# KiCad board !HDMI2USB.kicad_pcb (continued)
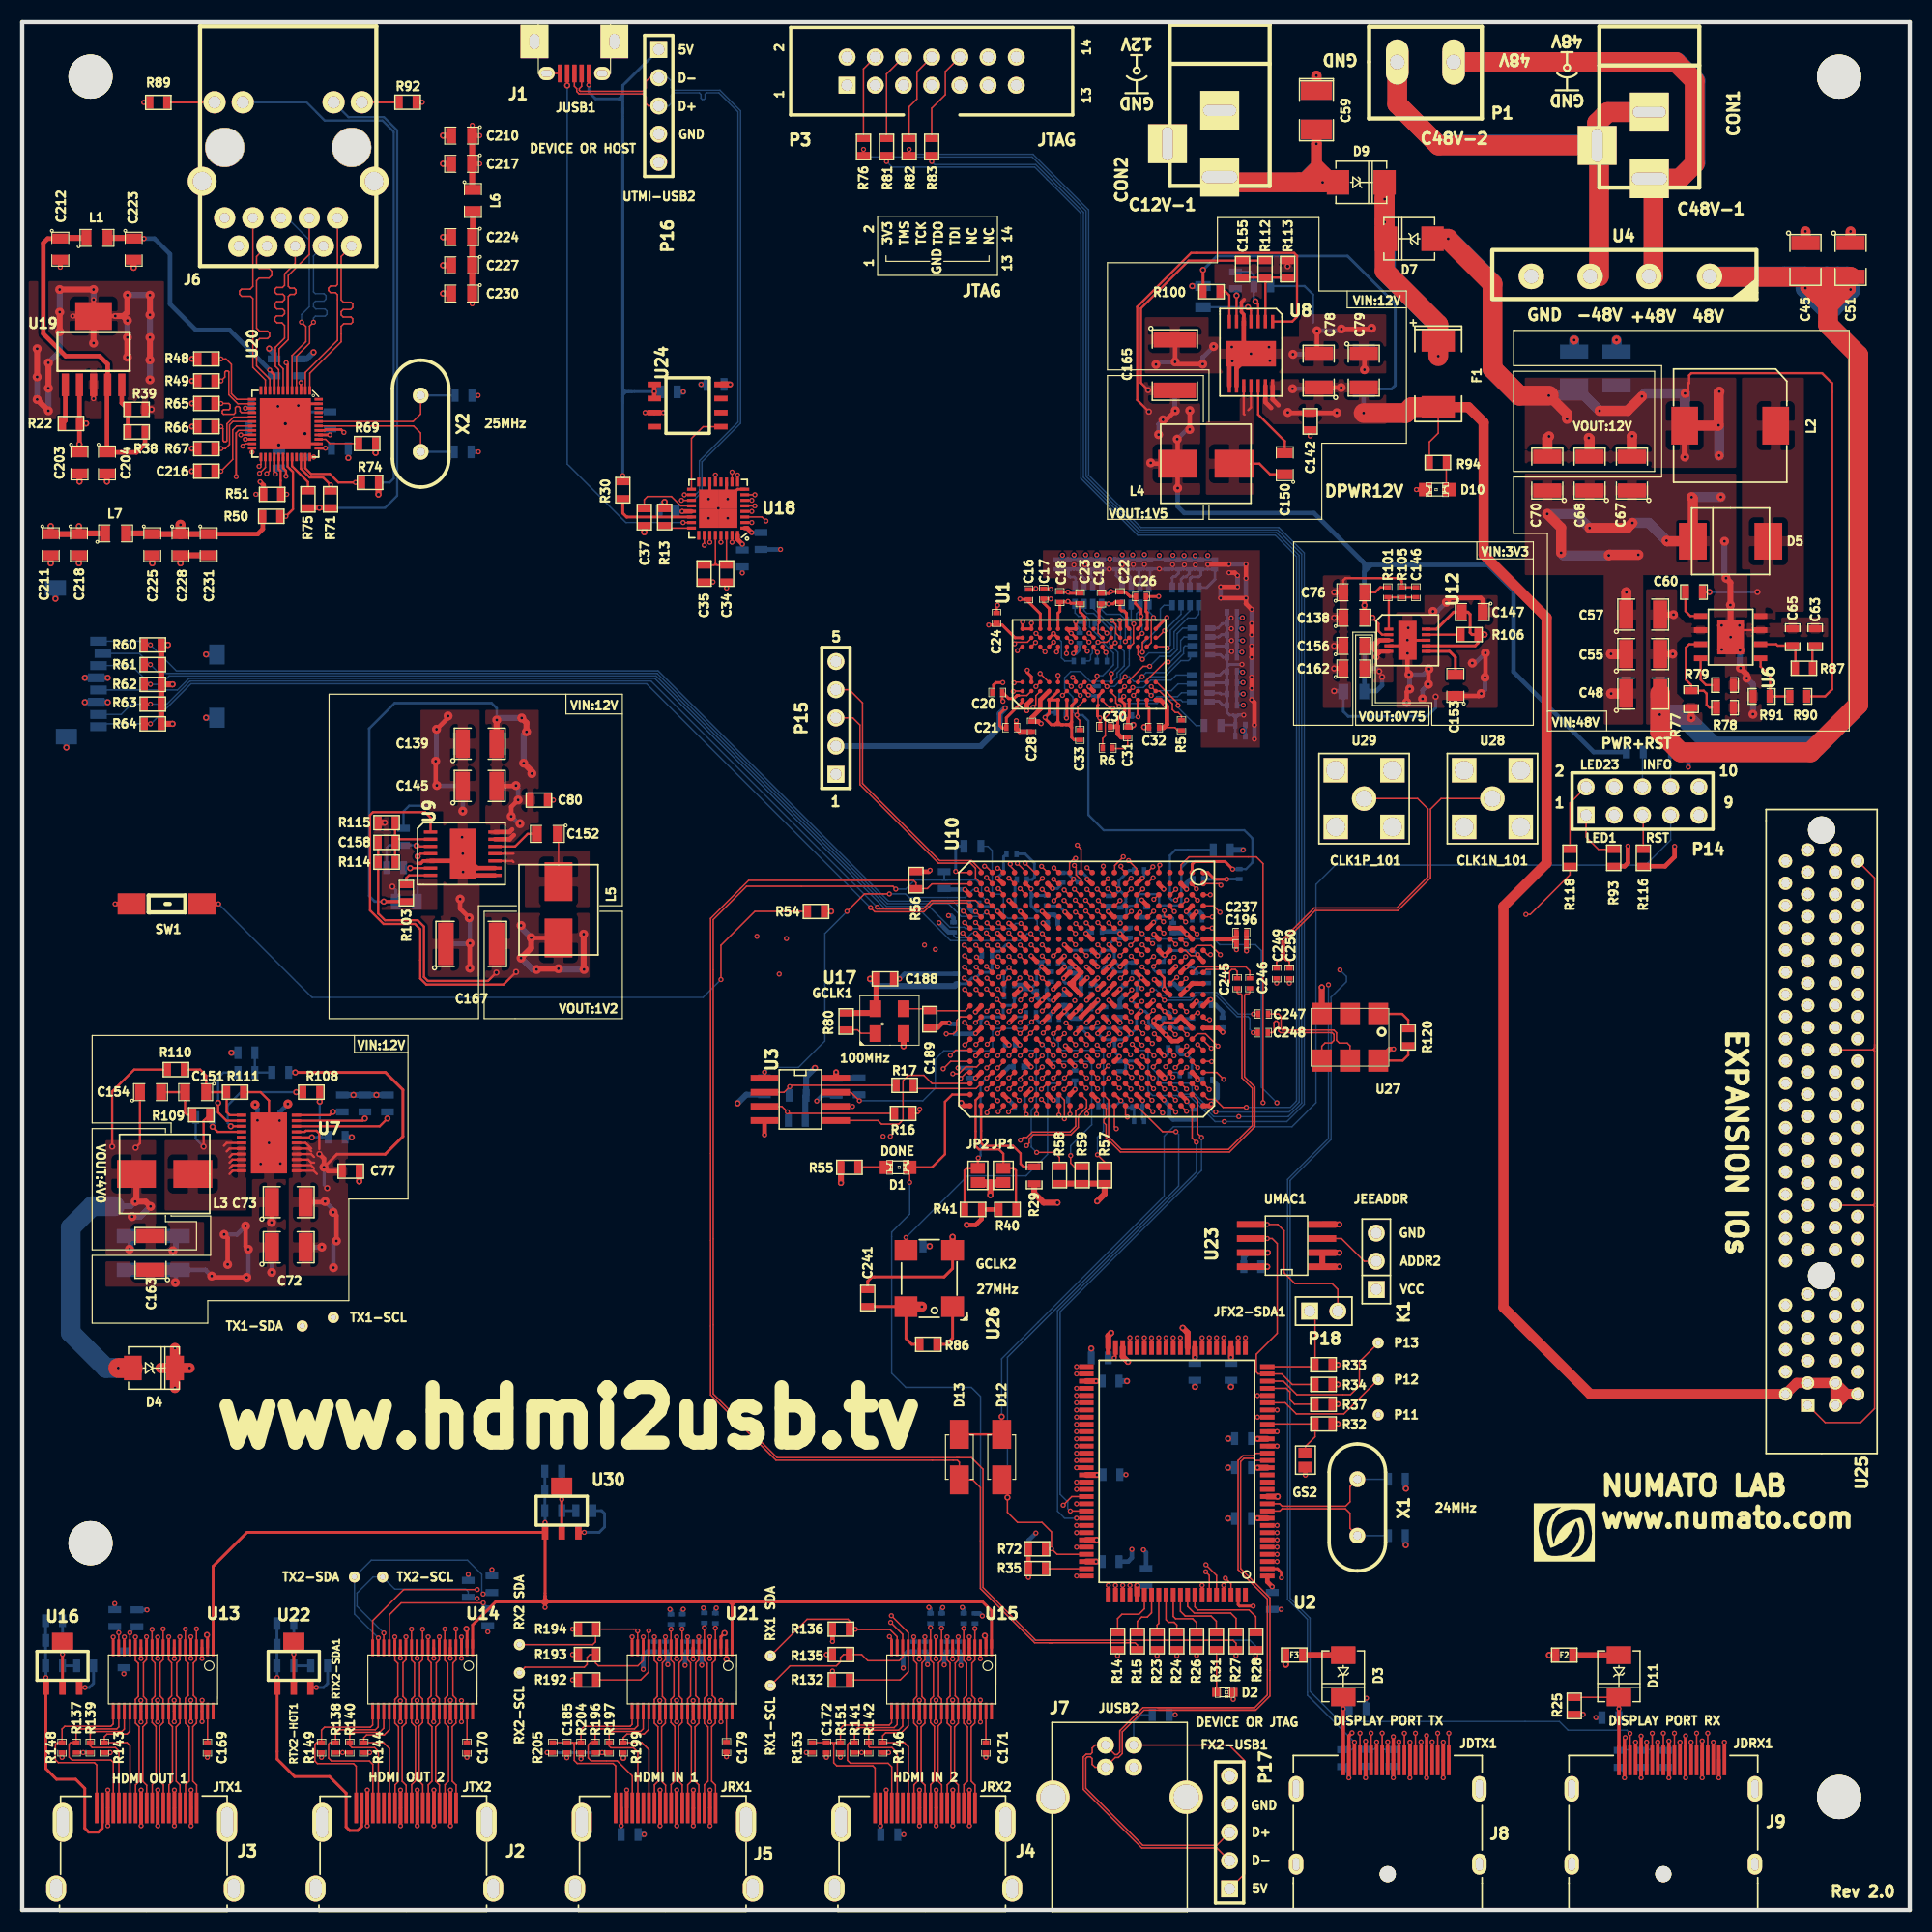
[diagram p0: board, top side]
## Routing (per net, layer and track width the routed paths; a pad name or vN(x,y) marks a point on that pad's centre or on a via; arc(x,y) is an arc through that point) (continued)
  BOTTOM w0.127: 103.35,112.45 103.25,112.45 103.19,112.36 v1(103.2,112.38) 103.38,112.38 104.34,113.33 104.34,114.32 104.65,114.63 R8.6
/DDR3/DDR0_A10: length 50.2
  TOP w0.127: v1(98.87,90.89) 98.39,90.42 U10.J4 ; v1(98.44,114.11) 98.44,114.11 U1.L7
  SIGNAL1-X w0.127: 100.28,114.51 101.57,114.51 103.24,112.83 103.44,112.83 105.41,110.86 105.41,109.73 105.74,109.4 105.74,107.48 105.24,106.98 105.24,104.6 102.87,102.23 101.87,102.23 101.35,101.71 101.35,101.53 101.5,101.37 101.68,101.37 102.15,101.85 102.36,101.85 102.57,101.63 102.57,101.44 101.35,100.22 101.35,96.17 101.25,96.07 101.09,96.07 101,96.16 101,98.03 100.89,98.14 100.76,98.14 100.68,98.06 100.68,95.77 100.59,95.68 100.48,95.68 100.41,95.76 100.41,97.99 ; 100.41,97.99 100.3,98.09 100.17,98.09 100.06,97.99 100.06,95.69 ; 100.27,114.51 99.88,114.9 99.23,114.9 v1(98.44,114.11) ; 98.88,90.82 99.03,90.97 99.03,91.42 99.18,91.57 99.18,92.18 98.84,92.52 98.84,93.26 99.61,94.03 99.8,94.03 100.25,94.49 100.25,95.5 100.06,95.69
  BOTTOM w0.127: v1(98.44,114.11) 98.44,114.12 98.44,114.13 98.44,114.12 98.44,115.35 98.1,115.69 97.97,115.69 96.46,117.21 96.46,117.6 R10.4
/DDR3/DDR0_A11: length 47.4
  TOP w0.127: v1(102.45,94.09) 102.36,94.01 U10.E1 ; v1(101.88,116.38) 101.69,116.19 101.69,114.13 101.32,113.76 U1.R7
  SIGNAL1-X w0.127: v1(102.45,94.09) 102.46,94.11 102.84,94.11 104.26,95.53 104.84,95.53 108.02,98.7 108.02,101.63 109.48,103.09 109.48,111.54 108.76,112.25 107.81,112.25 104.09,115.97 104.09,116.16 104.19,116.26 104.34,116.26 107.92,112.67 108.12,112.67 108.23,112.78 108.23,112.94 104.32,116.84 102.29,116.84 101.88,116.43 101.88,116.36
  BOTTOM w0.127: 101.88,116.37 101.88,116.51 101.47,116.92 R2.2 101.47,117.53 ; v1(101.88,116.38) 101.88,116.37
/DDR3/DDR0_A12: length 47.8
  TOP w0.127: v1(101.83,93.94) 101.36,93.47 U10.F1 ; 100.09,115.79 100.09,114.08 99.77,113.76 U1.N7
  SIGNAL1-X w0.127: 101.83,93.95 101.93,94.06 101.93,94.25 102.73,95.05 103.22,95.05 104.13,95.95 104.77,95.95 106.22,97.4 106.22,97.56 106.08,97.71 105.92,97.71 104.57,96.35 104.41,96.35 104.29,96.47 104.29,96.64 107.63,99.98 107.63,101.89 108.91,103.17 108.91,111.5 108.76,111.65 108.54,111.65 108.43,111.53 108.43,108.39 108.27,108.24 108.05,108.24 107.94,108.35 107.94,111.59 103.6,115.93 101.6,115.93 101.43,116.1 100.39,116.1 v1(100.1,115.81)
  BOTTOM w0.127: v1(100.1,115.81) 99.87,116.04 R2.6
/DDR3/DDR0_A13: length 49.2
  TOP w0.127: v1(97.86,88.88) 98.33,88.41 U10.J6 ; v1(104.1,108.46) 104.1,108.64 102.17,110.56 U1.T3
  SIGNAL1-X w0.127: v1(97.86,88.88) 97.39,89.35 97.39,90.92 98.24,91.77 98.24,92.06 98.53,92.35 98.53,93.67 98.42,93.78 98.42,96.97 96.39,99 94.17,99 94.06,99.12 94.06,100.55 93.96,100.64 93.83,100.64 93.76,100.57 93.76,99.34 93.65,99.23 93.53,99.23 93.41,99.35 93.41,100.95 93.63,101.17 93.63,102.14 ; v1(104.1,108.46) 103.99,108.35 103.99,108.11 103.65,107.77 103.65,105.24 102.14,103.73 101,103.73 99.8,102.53 93.1,102.53 92.96,102.4 92.96,101.34 92.73,101.11 92.73,99.52 92.83,99.42 92.97,99.42 93.05,99.51 93.05,101.02 93.23,101.2 93.23,102.14 93.35,102.26 93.5,102.26 93.63,102.14
  BOTTOM w0.127: 104.12,108.49 104.09,108.45 ; 104.09,108.45 104.09,108.47 104.09,108.28 105.72,106.65 R1.2 ; 104.09,108.45 v1(104.1,108.46)
/DDR3/DDR0_A14: length 50.7
  TOP w0.127: v1(99.89,89.91) 99.39,89.42 U10.H5 ; v1(103.12,113.62) 102.98,113.76 U1.T7
  SIGNAL1-X w0.127: v1(99.89,89.91) 99.31,90.49 99.31,91.29 99.45,91.43 99.45,92.32 99.29,92.47 99.29,92.48 99.11,92.66 99.11,93.14 99.69,93.72 99.9,93.72 100.53,94.36 100.53,94.91 101.78,96.16 101.78,98.58 101.78,98.58 101.78,99.05 103.76,101.04 103.76,101.49 106.35,104.07 106.35,105.52 ; 103.14,113.61 103.36,113.61 106.2,110.77 106.2,107.33 105.63,106.75 105.63,104.45 103.01,101.84 103.01,101.34 101.74,100.06 ; 101.74,100.06 101.74,99.91 101.84,99.81 101.99,99.81 103.39,101.21 103.39,101.67 106.01,104.28 106.01,105.55 106.09,105.63 106.24,105.63 106.34,105.52
  BOTTOM w0.127: v1(103.12,113.62) 103.4,113.9 103.4,115.24 105.17,117.01 R9.4
/DDR3/DDR0_BA0: length 54.2
  TOP w0.127: v1(99.28,110.17) 98.89,109.77 U1.M2 ; v1(97.77,91.95) 98.3,91.41 U10.J3
  SIGNAL1-X w0.127: v1(99.28,110.17) 99.97,110.85 99.97,112.98 100.7,113.7 101.08,113.7 101.97,112.81 101.97,111.99 103.66,110.3 103.66,108.17 103.32,107.83 103.32,105.57 101.97,104.22 100.77,104.22 99.51,102.95 92.82,102.95 92.51,102.64 92.51,101.51 92.3,101.3 92.3,98.34 92.42,98.22 93.58,98.22 93.64,98.29 93.64,98.5 93.57,98.57 92.77,98.57 92.68,98.66 92.68,98.9 92.75,98.97 93.64,98.97 93.99,98.62 96.22,98.62 98.1,96.73 98.1,93.71 98.21,93.61 98.21,92.56 97.77,92.11 v1(97.77,91.95)
  BOTTOM w0.127: R3.2 104.51,108.81 104.34,108.97 102.53,108.97 102.21,108.65 99.15,108.65 98.79,109.01 98.79,109.67 v1(99.28,110.17)
/DDR3/DDR0_BA1: length 51.1
  TOP w0.127: v1(99.16,94.84) 99.16,94.82 98.39,94.05 98.39,93.45 U10.J1 ; v1(99.35,114.23) 99.69,114.56 U1.N8
  SIGNAL1-X w0.127: 99.15,94.83 99.25,94.93 99.25,97.3 97.06,99.49 97.06,99.49 96.97,99.58 96.97,100.01 97.27,100.31 97.27,100.82 97.53,101.08 100.46,101.08 100.54,101.15 100.54,101.27 100.46,101.36 97.23,101.36 96.89,101.01 96.89,100.52 96.23,99.87 94.97,99.87 94.83,100.01 94.83,100.36 94.96,100.49 96.17,100.49 96.43,100.75 96.43,101.41 96.77,101.75 100.28,101.75 101.47,102.95 102.48,102.95 104.45,104.92 104.45,107.28 104.97,107.8 104.97,108.97 104.58,109.36 104.58,110.38 102.72,112.24 102.72,112.86 101.34,114.25 100.46,114.25 99.66,113.45 99.37,113.45 99.27,113.55 99.27,114.15 99.37,114.24
  BOTTOM w0.127: R10.2 97.22,117.09 97.62,116.68 98.88,116.68 99.35,116.21 v1(99.35,114.23)
/DDR3/DDR0_BA2: length 53.4
  TOP w0.127: v1(98.95,93.98) 98.95,93.83 U10.H1 ; v1(99.34,111.05) 98.89,110.6 U1.M3
  SIGNAL1-X w0.127: v1(99.34,111.05) 99.65,111.37 99.65,113.07 100.56,113.99 101.19,113.99 102.28,112.9 102.28,112.13 104.2,110.2 104.2,109.15 104.57,108.79 104.57,107.94 104.03,107.41 104.03,105.06 102.32,103.35 101.22,103.35 100,102.14 94.1,102.14 94.01,102.05 94.01,101.91 94.08,101.84 96.08,101.84 96.16,101.75 96.16,101.57 96.08,101.5 94.02,101.5 93.92,101.39 93.92,101.26 93.97,101.21 95.91,101.21 96.02,101.1 96.02,100.96 95.93,100.88 94.58,100.88 94.45,100.74 94.45,99.65 94.72,99.38 96.59,99.38 98.83,97.14 98.83,95.65 98.7,95.53 98.7,94.65 98.93,94.42 98.93,93.99
  BOTTOM w0.127: 101.54,111.05 102.9,111.05 104.36,112.5 105.03,112.5 105.19,112.67 105.19,112.82 R8.2 ; 101.55,111.05 101.1,110.61 100.14,110.61 99.7,111.05 v1(99.34,111.05)
/DDR3/DDR0_CAS_N: length 54.6
  TOP w0.127: v1(94.84,90.93) 95.35,90.42 U10.M4 ; v1(97.69,110.16) 97.29,110.56 U1.K3
  SIGNAL1-X w0.127: 94.8,90.93 94.76,90.98 94.76,91.24 94.32,91.68 ; 94.32,91.68 94.32,92.04 ; 94.32,91.68 94.32,91.68 ; 95.06,112.06 95.24,111.88 95.24,111.02 95.61,110.65 96.34,110.65 ; 95.06,112.06 94.9,112.06 94.73,111.89 94.73,111.68 94.59,111.55 94.45,111.55 94.3,111.7 94.3,111.96 94.19,112.07 94.02,112.07 93.91,111.97 93.91,111.63 93.82,111.54 93.69,111.54 93.58,111.65 93.58,111.94 93.44,112.08 89.23,112.08 87.56,110.41 87.56,107.6 87.76,107.39 88.28,107.39 88.4,107.27 88.4,107.06 88.24,106.9 87.85,106.9 87.72,106.78 87.72,106.59 87.79,106.52 88.23,106.52 88.37,106.39 88.37,106.22 88.24,106.1 87.78,106.1 87.61,105.93 87.61,105.72 87.79,105.53 88.14,105.53 88.28,105.39 88.28,105.18 88.17,105.06 87.75,105.06 87.54,104.86 87.54,96.18 88.68,95.04 92.55,95.04 93.57,94.02 93.57,92.79 94.32,92.04 ; 96.34,110.65 96.53,110.46 96.53,109.6 97.32,108.81 ; 97.32,108.81 97.67,108.81 97.96,109.1 97.96,109.94 97.74,110.16
  BOTTOM w0.127: v1(97.69,110.16) 97.7,110.18 98.38,110.18 98.91,110.71 98.91,111.28 99.7,112.07 99.7,113.43 99.83,113.56 99.83,115.33 99.62,115.53 99.62,116.39 99.05,116.96 99.05,117.51 R2.8
/DDR3/DDR0_CK_N: length 46.6
  TOP w0.127: 97.52,113.35 97.29,113.58 U1.K7 ; v1(96.81,91.92) 97.32,91.41 U10.K3
  SIGNAL3-X w0.127: 96.8,91.92 96.76,91.95 96.76,94 97.25,94.49 97.25,94.66 97.09,94.81 96.89,94.81 96.75,94.95 96.75,95.28 97.13,95.67 102.56,95.67 103.91,94.32 103.91,93.85 104.2,93.56 106.37,93.56 106.91,94.1 106.91,104.5 104.23,107.18 102.24,107.18 101.94,106.88 101.94,106.2 101.49,105.75 99.43,105.75 98.93,106.25 98.93,106.81 97.73,108.01 97.73,109.04 98.38,109.7 98.38,110.58 98.53,110.72 98.53,112.29 97.59,113.23
  BOTTOM w0.127: v1(97.6,113.24) 97.68,113.16 R4.1
/DDR3/DDR0_CK_P: length 46.5
  TOP w0.127: v1(96.83,113.24) 96.49,113.58 U1.J7 ; v1(96.92,90.89) 97.36,90.45 U10.K4
  SIGNAL3-X w0.127: v1(96.92,90.89) 96.36,91.45 96.36,92.38 96.51,92.53 96.51,94.57 96.29,94.79 96.29,95.19 97.03,95.93 102.67,95.93 104.26,94.33 106.03,94.33 106.66,94.97 106.66,104.39 104.13,106.92 102.38,106.92 102.19,106.74 102.19,106.09 101.6,105.5 99.33,105.5 98.65,106.18 98.65,106.74 97.47,107.92 97.47,109.17 98.13,109.83 98.13,110.66 97.62,111.18 97.62,112.21 96.81,113.02 96.81,113.26
  BOTTOM w0.127: v1(96.83,113.24) 96.83,112.51
/DDR3/DDR0_CKE: length 47.7
  TOP w0.127: v1(97.68,114.98) 97.29,115.36 U1.K9 ; v1(101.85,92.95) 101.36,92.46 U10.F2
  SIGNAL3-X w0.127: v1(97.68,114.98) 97.91,114.74 97.91,114.01 98.72,113.2 99.53,113.2 100.1,112.62 ; 100.1,112.62 100.17,112.56 100.17,111.04 100.52,110.7 100.52,109.8 101.37,108.94 102.55,108.94 102.62,109.01 105.11,109.01 106.12,108 106.12,107.64 106.12,107.64 106.12,106.58 106.22,106.47 106.4,106.47 106.56,106.62 106.56,108.38 106.72,108.54 106.9,108.54 107.01,108.43 107.01,107.97 107.01,107.97 107.01,106.06 107.08,105.98 107.29,105.98 107.39,106.08 107.39,108.54 107.49,108.64 107.72,108.64 107.83,108.53 107.83,93.97 106.75,92.89 104.66,92.89 104.23,92.47 102.67,92.47 102.22,92.91 101.83,92.91
  BOTTOM w0.127: v1(97.68,114.98) 97.39,115.27 96.86,115.27 96.59,115.53 R7.2
/DDR3/DDR0_DQ0: length 46
  TOP w0.127: v1(93.29,111.17) 93.28,111.17 U1.E3 ; v1(91.86,91.9) 92.35,91.41 U10.R3
  SIGNAL3-X w0.127: v1(93.29,111.17) 93.42,111.3 93.73,111.3 93.89,111.14 93.89,110.66 92.96,109.73 92.96,108.81 93.53,108.24 93.53,107.84 93.35,107.66 93.35,107.02 94.43,105.95 94.43,105.17 ; 91.86,91.9 91.86,92.19 92.41,92.75 92.41,93.89 92.25,94.05 92.25,94.65 92.14,94.77 92.14,97.41 94.05,99.32 94.05,102.06 94.31,102.32 94.68,102.32 94.88,102.52 94.88,104.45 94.78,104.55 94.57,104.55 94.48,104.46 94.48,102.89 94.36,102.76 94.15,102.76 94.06,102.85 94.06,104.56 ; 94.43,105.17 94.25,105 93.56,105 93.29,104.73 93.29,99.59 91.43,97.72 91.43,97.4 91.54,97.28 91.73,97.28 91.82,97.37 91.82,97.6 92.15,97.92 92.14,97.91 93.67,99.45 93.67,104.54 93.76,104.63 93.99,104.63 94.06,104.57
/DDR3/DDR0_DQ1: length 46
  TOP w0.127: v1(94.05,113.14) 94.05,113.72 U1.F7 ; v1(91.81,93.97) 92.36,93.42 U10.R1
  SIGNAL3-X w0.127: v1(91.81,93.97) 91.7,94.08 91.7,95.44 ; 93.72,106.06 93.81,105.97 93.81,105.81 92.91,104.91 92.91,99.75 91.05,97.88 91.05,97.22 91.7,96.56 91.7,95.4 ; 93.71,106.06 93.51,106.06 92.53,105.08 92.53,99.74 90.77,97.98 90.77,97.7 ; 92.17,99.82 90.43,98.08 90.43,96.92 91.15,96.21 91.33,96.21 91.42,96.3 ; 90.77,97.11 91.42,96.45 91.42,96.3 ; 90.77,97.71 90.77,97.12 ; 94.05,113.15 94.05,112.61 92.68,111.23 92.68,108.55 93.09,108.14 93.09,106.8 93.28,106.61 93.28,106.38 92.17,105.27 92.17,99.82
/DDR3/DDR0_DQ2: length 46.1
  TOP w0.127: v1(93.69,109.37) 94.08,109.76 U1.F2 ; v1(92.89,92.81) 93.28,92.42 U10.P2
  SIGNAL3-X w0.127: 93.68,109.36 93.68,109.01 93.96,108.72 94.37,108.72 94.51,108.58 94.51,107.33 95.21,106.64 95.21,105.22 97.94,102.49 97.94,101.98 97.67,101.71 97.67,101.05 98,100.73 102.61,100.73 102.88,100.45 102.88,100.09 102.67,99.88 96.75,99.88 96.61,99.74 96.61,99.48 96.74,99.35 102.7,99.35 102.88,99.17 102.88,98.97 102.69,98.78 94.62,98.78 93,97.16 93,94.9 93.39,94.52 93.39,93.45 92.87,92.94 92.87,92.82
/DDR3/DDR0_DQ3: length 46
  TOP w0.127: v1(94.45,114.19) 94.09,114.56 U1.F8 ; v1(92.92,93.83) 93.33,93.42 U10.P1
  SIGNAL3-X w0.127: v1(94.45,114.19) 95.18,113.46 95.18,112.79 94.15,111.75 94.15,110.46 93.25,109.57 93.25,109.05 94.11,108.2 94.11,108.02 93.61,107.53 93.61,107.13 94.81,105.93 94.81,105.08 96.5,103.39 96.5,100.93 96.62,100.81 96.78,100.81 96.91,100.94 96.91,102.78 96.99,102.86 97.18,102.86 97.29,102.75 97.29,100.54 97.13,100.38 96.55,100.38 96.19,100.02 96.19,99.5 96.06,99.36 95.92,99.36 95.79,99.5 95.79,103.53 95.61,103.71 95.41,103.71 95.26,103.55 95.26,99.3 95.12,99.16 94.97,99.16 94.88,99.26 94.88,101.81 94.77,101.92 94.54,101.92 94.43,101.81 94.43,99.15 92.59,97.31 92.59,94.16 v1(92.92,93.83)
/DDR3/DDR0_DQ4: length 46
  TOP w0.127: v1(95.89,91.89) 96.36,91.42 U10.L3 ; v1(95.31,110.19) 95.68,110.56 U1.H3
  SIGNAL3-X w0.127: v1(95.31,110.19) 94.79,109.68 94.79,109.18 95.73,108.25 95.73,105.97 98.18,103.53 103.57,103.53 103.69,103.41 103.69,103.12 103.61,103.04 99.17,103.04 99.02,102.89 99.02,102.63 99.13,102.53 103.52,102.53 103.64,102.41 103.64,98.34 103.32,98.02 95.25,98.02 93.71,96.48 93.71,95.33 94.01,95.03 94.01,92.67 94.28,92.4 95.39,92.4 v1(95.89,91.89)
/DDR3/DDR0_DQ5: length 45.9
  TOP w0.127: v1(95.9,93.85) 96.33,93.42 U10.L1 ; v1(96.08,114.18) 95.69,114.56 U1.H8
  SIGNAL3-X w0.127: v1(96.08,114.18) 96.36,113.89 96.36,112.97 97.32,112 97.32,110.5 97.15,110.33 97.15,107.86 97.63,107.39 97.63,107.2 98.22,106.61 98.22,106.14 99.3,105.05 101.81,105.05 102.64,105.89 102.64,106.37 102.78,106.51 104.03,106.51 104.11,106.43 104.11,106.26 103.99,106.14 103.07,106.14 102.99,106.06 102.99,105.91 103.12,105.77 104.7,105.77 106.2,104.27 106.2,94.89 105.92,94.6 104.62,94.6 102.88,96.35 96.39,96.35 95.62,95.58 95.62,94.13 v1(95.9,93.85)
/DDR3/DDR0_DQ6: length 46
  TOP w0.127: v1(95.29,109.37) 94.89,109.76 U1.G2 ; v1(94.76,94.06) 94.91,93.9 94.91,93.21 95.36,92.76 U10.M2
  SIGNAL3-X w0.127: v1(95.29,109.37) 96.01,108.65 96.01,106.4 98.49,103.91 102.55,103.91 103.26,104.62 104.22,104.62 105.04,103.8 105.04,103.63 104.91,103.5 104.71,103.5 103.94,104.27 103.76,104.27 103.67,104.18 103.67,103.97 105.04,102.61 105.04,99.31 104.89,99.15 104.67,99.15 104.53,99.3 104.53,102.55 104.39,102.69 104.15,102.69 104.02,102.56 104.02,98.08 103.56,97.62 95.39,97.62 94.1,96.32 94.1,95.48 94.32,95.26 94.32,94.5 v1(94.76,94.06)
/DDR3/DDR0_DQ7: length 45.9
  TOP w0.127: v1(95.92,113.35) 95.69,113.59 U1.H7 ; v1(95.03,95.88) 95.36,95.52 U10.M1
  SIGNAL3-X w0.127: v1(95.92,113.35) 96.07,113.21 96.07,112.89 96.27,112.69 96.27,111.05 96.9,110.42 96.9,108.87 96.58,108.55 96.58,107.02 98.92,104.67 102.19,104.67 102.9,105.38 104.55,105.38 105.8,104.13 105.8,95.28 105.54,95.02 104.77,95.02 104.62,95.18 104.62,95.34 104.77,95.5 105.34,95.5 105.49,95.65 105.49,96.74 105.37,96.86 105.24,96.86 105.14,96.75 105.14,95.85 105.05,95.77 104,95.77 103.04,96.73 ; 103.04,96.73 95.62,96.73 95.02,96.12 95.02,95.89 ; 103.04,96.73 102.98,96.73 103.04,96.73
/DDR3/DDR0_DQ8: length 45.9
  TOP w0.127: v1(92.89,114.17) 92.89,114.16 92.5,113.76 U1.D7 ; v1(91.88,92.89) 91.4,92.42 U10.T2
  SIGNAL3-X w0.127: v1(92.89,114.17) 92.97,114.25 93.43,114.25 93.6,114.08 93.6,112.58 92.4,111.37 92.4,108.43 92.83,108 92.83,106.83 91.79,105.79 91.79,100.01 90.05,98.27 90.05,97.23 89.93,97.11 89.81,97.11 89.68,97.24 89.68,98.45 91.38,100.15 91.38,105.79 91.28,105.88 91.07,105.88 91,105.82 91,100.33 89.27,98.6 89.27,97.05 89.63,96.69 90.1,96.69 91.37,95.42 91.37,93.4 v1(91.88,92.89)
/DDR3/DDR0_DQ9: length 46
  TOP w0.127: v1(91.3,110.17) 91.3,110.18 U1.C3 ; v1(90.33,94.26) 91.18,93.42 U10.T1
  SIGNAL3-X w0.127: 90.34,94.26 90.34,94.23 90.34,94.36 89.86,94.84 89.86,95.26 89.57,95.55 87.76,95.55 87.27,96.04 87.27,96.02 87.09,96.2 86.17,96.2 85.78,96.59 85.78,99.99 87.28,101.5 87.28,104.36 87.47,104.55 87.61,104.55 87.77,104.39 87.77,101.43 86.19,99.86 86.19,96.74 86.3,96.63 86.46,96.63 86.57,96.73 86.57,99.74 88.17,101.34 88.17,103.95 88.47,104.25 89.61,104.25 89.72,104.36 89.72,104.58 89.62,104.68 88.62,104.68 88.49,104.81 88.49,104.98 88.63,105.12 89.44,105.12 89.52,105.2 89.52,105.38 89.41,105.49 88.61,105.49 88.53,105.56 88.53,105.79 88.63,105.89 89.61,105.89 91.58,107.86 91.58,108.89 91.14,109.33 91.14,110.04 91.28,110.18
/DDR3/DDR0_DQ10: length 45.9
  TOP w0.127: v1(91.3,114.95) 91.69,114.57 U1.C8 ; 90.37,91.47 v1(89.87,91.96)
  SIGNAL3-X w0.127: v1(89.87,91.96) 89.41,92.42 88.65,92.42 88.29,92.78 88.29,94.16 88.11,94.34 87.41,94.34 86.64,95.11 84.73,95.11 83.55,96.29 82.95,96.29 82.44,96.8 82.44,100.62 82.54,100.71 82.73,100.71 82.86,100.59 82.86,96.98 83.04,96.8 83.2,96.8 83.33,96.93 83.33,101.96 82.94,102.35 82.94,107.71 83.48,108.25 87.09,108.25 87.56,107.78 88.7,107.78 89.78,108.86 89.78,112.63 90.8,113.65 90.8,115.07 90.92,115.19 91.07,115.19 v1(91.3,114.95)
/DDR3/DDR0_DQ11: length 46
  TOP w0.127: v1(91.04,108.29) 91.28,108.54 91.28,109.34 91.69,109.74 U1.C2 ; 89.62,94.29 v1(89.62,94.25) 90.37,93.51 U10.U1
  SIGNAL3-X w0.127: 88.07,105.11 87.94,104.99 ; 88.07,105.11 87.94,104.99 ; 88.07,105.11 88.07,105.86 88.38,106.17 89.51,106.17 91.04,107.7 v1(91.04,108.29) ; 87.94,104.99 87.7,104.99 87.59,105.1 87.59,106.1 87.48,106.21 87.38,106.21 87.21,106.05 87.21,105.08 87.22,105.08 87.08,104.95 86.88,104.95 86.77,105.05 86.77,105.96 86.65,106.08 86.48,106.08 86.34,105.95 86.34,104.88 86.09,104.62 86.09,102 84.54,100.45 84.54,97.01 84.66,96.89 84.85,96.89 84.99,97.03 84.99,100.33 86.5,101.83 86.5,104.44 86.62,104.56 86.76,104.56 86.88,104.44 86.88,101.64 85.4,100.16 85.4,96.56 86.06,95.9 86.96,95.9 87.61,95.25 89.35,95.25 89.59,95 89.59,94.35 89.64,94.3
/DDR3/DDR0_DQ12: length 45.9
  TOP w0.127: v1(89.63,113.39) 90,113.76 U1.A7 ; 88.36,91.51 v1(87.91,91.96)
  SIGNAL3-X w0.127: 87.91,91.98 87.37,92.52 87.37,93.24 87.17,93.43 84.74,93.43 83.08,95.1 82.43,95.1 81.29,96.24 81.29,101.5 81.75,101.97 81.75,107.79 81.27,108.28 81.27,110.82 82.14,111.69 82.14,112.75 82.69,113.3 87.26,113.3 87.44,113.12 87.44,112.87 87.29,112.72 82.76,112.72 82.6,112.56 82.6,112.43 82.8,112.23 88.47,112.23 89.64,113.41
/DDR3/DDR0_DQ13: length 45.9
  TOP w0.127: v1(87.85,93.8) 87.98,93.8 U10.W1 ; U1.A2 89.29,109.76
  SIGNAL3-X w0.127: v1(87.85,93.8) 87.48,93.8 86.43,94.85 84.45,94.85 83.39,95.91 82.8,95.91 82.06,96.64 82.06,100.79 82.56,101.28 82.56,107.9 83.01,108.35 83.01,110 83.48,110.48 87.26,110.48 87.39,110.35 87.39,110.09 87.27,109.98 83.62,109.98 83.5,109.86 83.5,109.63 83.62,109.51 87.23,109.51 87.37,109.37 87.37,109.21 87.21,109.05 83.54,109.05 83.44,108.95 83.44,108.78 83.56,108.65 87.34,108.65 88.42,109.73 89.23,109.73
  vias: v1(89.26,109.73)
/DDR3/DDR0_DQ14: length 45.8
  TOP w0.127: v1(89.37,114.02) 89.51,114.17 90.53,114.17 90.93,114.56 U1.B8 ; 87.36,92.46 v1(86.85,92.97)
  SIGNAL3-X w0.127: 82.54,113.7 81.72,112.88 81.72,111.91 80.85,111.04 80.85,96.08 84.01,92.92 86.9,92.92 ; v1(89.37,114.02) 89.32,114.01 88.78,114.01 87.99,114.8 82.62,114.8 82.44,114.62 82.44,114.4 82.62,114.22 87.13,114.22 87.3,114.05 87.3,113.84 87.17,113.7 82.54,113.7
/DDR3/DDR0_DQ15: length 46
  TOP w0.127: v1(89.33,110.5) 89.39,110.56 U1.A3 ; v1(86.67,93.98) 86.8,93.98 U10.Y1
  SIGNAL3-X w0.127: 86.67,93.99 86.59,93.99 86.01,94.57 84.14,94.57 83.23,95.48 82.59,95.48 81.68,96.39 81.68,101.33 82.14,101.79 82.14,108.09 82.6,108.55 82.6,110.17 83.31,110.88 87.36,110.88 87.53,111.05 87.53,111.3 87.42,111.4 85.49,111.4 85.49,111.4 83.13,111.4 82.15,110.41 82.15,108.81 82.02,108.68 81.79,108.68 81.65,108.82 81.65,110.56 82.94,111.85 87.82,111.85 89.17,110.5 v1(89.33,110.5)
/DDR3/DDR0_LDM: length 45.7
  TOP w0.127: v1(93.16,113.28) 93.29,113.41 U1.E7 ; v1(93.83,90.9) 94.32,90.42 U10.N4
  SIGNAL3-X w0.127: v1(93.83,90.9) 93.37,91.37 91.45,91.37 91.32,91.49 91.32,93.04 91.09,93.27 91.09,94.77 90.75,95.11 90.75,95.5 89.94,96.31 88.57,96.31 88.13,96.75 ; 88.13,96.76 88.13,99.1 89.73,100.7 89.73,103.27 89.87,103.42 90.1,103.42 90.24,103.28 90.24,100.67 88.51,98.94 88.51,96.95 88.61,96.85 ; 88.61,96.85 88.61,96.85 ; 88.61,96.85 88.77,96.85 ; 88.77,96.85 88.89,96.97 88.89,98.78 90.62,100.51 90.62,106.02 90.98,106.38 91.94,106.38 92.56,107 92.56,107.89 92.11,108.34 92.11,111.55 93.16,112.6 93.16,113.28
/DDR3/DDR0_LDQS_N: length 45.9
  TOP w0.127: v1(94.87,94.69) 94.74,94.69 94.33,94.28 94.33,93.45 U10.N1 ; v1(94.61,110.99) 94.88,110.72 U1.G3
  SIGNAL3-X w0.127: 94.5,96.16 94.5,95.59 94.88,95.21 94.88,94.71 ; 102.39,97.22 102.31,97.22 ; 102.31,97.22 95.58,97.22 94.51,96.16 ; 102.31,97.22 103.74,97.22 104.43,97.91 104.43,98.63 104.57,98.77 104.76,98.77 104.92,98.6 104.92,97.82 104.18,97.07 104.18,96.32 104.35,96.15 104.56,96.15 104.75,96.35 104.75,97.04 105.42,97.71 105.42,103.96 104.38,105 103.09,105 102.38,104.29 98.75,104.29 96.3,106.73 96.3,108.72 96.64,109.05 96.64,110.23 95.87,110.99 95.87,112.02 95.56,112.33 95.26,112.33 94.6,111.67 94.6,111
/DDR3/DDR0_LDQS_P: length 45.9
  TOP w0.127: v1(94.48,110.17) 94.09,110.56 U1.F3 ; v1(93.84,91.85) 94.28,91.41 U10.N3
  SIGNAL3-X w0.127: 94.5,110.15 94.5,109.07 95.47,108.1 95.47,105.62 97.94,103.15 98.49,103.15 98.59,103.04 98.59,101.68 98.5,101.58 98.15,101.58 98.05,101.48 98.05,101.21 98.15,101.11 102.59,101.11 102.59,101.11 102.85,101.11 102.99,101.24 ; v1(93.84,91.85) 93.7,91.99 93.7,94.94 93.43,95.21 93.43,96.87 94.95,98.4 102.88,98.4 103.26,98.78 103.26,102.04 103.15,102.15 99.02,102.15 98.94,102.07 98.94,101.77 99.04,101.66 102.85,101.66 102.99,101.53 102.99,101.24
/DDR3/DDR0_ODT: length 50
  TOP w0.127: 97.93,108.25 97.29,108.9 U1.K1 ; 97.93,108.25 97.97,108.22 ; 97.93,108.25 97.97,108.22 ; v1(95.83,88.88) 96.3,88.41 U10.L6 ; 97.97,108.22 98.2,108.22 ; 98.2,108.22 98.2,107.99 97.55,107.33 97.55,105.73 97.31,105.49 R6.2 ; 98.2,108.22 v1(98.22,108.22)
  SIGNAL3-X w0.127: v1(95.83,88.88) 96.31,89.36 96.31,90.23 96.5,90.42 99.05,90.42 99.39,90.76 99.39,93.41 100.84,94.85 102.53,94.85 104.08,93.3 106.52,93.3 107.45,94.23 107.45,105.43 107.27,105.6 106.67,105.6 105.73,106.54 105.73,107.43 105.05,108.12 105.05,108.22 104.92,108.35 104.73,108.35 104.64,108.26 104.64,107.89 104.44,107.69 101.06,107.69 100.91,107.84 100.91,108.06 101.05,108.19 102.21,108.19 102.35,108.34 102.35,108.55 102.22,108.68 100.85,108.68 99.97,107.8 98.65,107.8 v1(98.22,108.22)
/DDR3/DDR0_RAS_N: length 55.2
  TOP w0.127: v1(94.86,89.85) 94.93,89.85 U10.M5 ; v1(96.8,111.13) 96.8,110.88 96.49,110.56 U1.J3
  SIGNAL1-X w0.127: 94.86,89.9 94.28,90.48 94.28,91.16 94.04,91.39 93.61,91.39 93.36,91.64 93.21,91.64 92.96,91.39 88.58,91.39 88.41,91.55 88.41,94.28 87.15,95.54 87.15,111.39 87.28,111.52 87.27,111.52 88.06,111.52 88.19,111.65 88.19,111.86 88.04,112.01 86.93,112.01 86.8,112.14 86.8,112.33 86.93,112.46 ; 86.94,112.46 95.47,112.46 95.64,112.29 95.64,111.3 95.81,111.13 96.01,111.13 96.25,111.36 96.25,112.2 96.39,112.34 96.65,112.34 96.8,112.19 v1(96.8,111.13)
  BOTTOM w0.127: v1(96.8,111.13) 96.77,111.1 96.77,111.15 97.31,111.15 98.28,112.11 98.28,113.18 97.41,114.04 97.41,114.25 96.13,115.53 96.13,116.22 95.85,116.5 95.13,116.5 94.82,116.81 R10.8
/DDR3/DDR0_RESET_N: length 48.9
  TOP w0.127: 102.08,109.76 v1(101.68,110.16) ; v1(101.91,91) 102.37,91.46 102.44,91.46 U10.E3 ; U1.T2 102.44,109.76 103.59,108.62 103.59,108.09 103.86,107.83 104.11,107.83 104.41,107.53 R5.2
  SIGNAL3-X w0.127: 108.4,108.86 107.1,110.16 102.93,110.16 102.48,110.61 101.92,110.61 101.67,110.37 101.67,110.16 ; 108.4,108.86 108.49,108.77 108.49,100.91 109.17,100.24 109.17,94.63 109.02,94.48 108.85,94.48 108.66,94.67 108.66,100.02 108.57,100.12 108.32,100.12 108.21,100.01 108.21,93.47 106.14,91.39 103.72,91.39 103.4,91.08 103.4,90.73 103.14,90.46 102.16,90.46 101.91,90.71 v1(101.91,91) ; 108.4,108.86 108.41,108.85
/DDR3/DDR0_UDM: length 45.8
  TOP w0.127: v1(91.68,111.34) 92.46,110.56 U1.D3 ; v1(92.91,90.88) 93.36,91.33 U10.P3
  SIGNAL3-X w0.127: v1(91.68,111.34) 91.6,111.42 91.39,111.42 91.29,111.31 91.29,110.89 91.84,110.34 91.84,107.74 90.21,106.11 90.21,104.32 89.35,103.46 89.35,100.85 87.73,99.24 87.73,97.04 87.61,96.91 87.49,96.91 87.39,97.02 87.39,99.46 88.96,101.02 88.96,103.56 88.83,103.69 88.63,103.69 88.55,103.61 88.55,101.18 86.95,99.58 86.95,96.89 87.91,95.93 89.78,95.93 90.25,95.47 90.25,95.1 90.82,94.52 90.82,93.35 90.33,92.85 90.33,90.74 90.48,90.59 92.58,90.59 92.87,90.89
/DDR3/DDR0_UDQS_N: length 45.9
  TOP w0.127: v1(91.26,114.14) 90.89,113.77 U1.B7 ; v1(88.99,94.19) 88.99,93.99 89.36,93.61 U10.V1
  SIGNAL3-X w0.127: v1(91.26,114.14) 91.4,114.28 92,114.28 92.69,113.58 92.69,112.95 91.58,111.84 91.32,111.84 90.83,111.35 90.83,108.99 88.93,107.09 88.93,106.75 88.78,106.61 86.46,106.61 85.96,106.11 85.96,105.07 85.65,104.76 85.65,102.11 84.98,101.43 84.71,101.43 84.6,101.55 84.6,101.75 85.25,102.4 85.25,105.08 85.6,105.44 85.6,106.26 86.33,106.99 86.78,106.99 86.89,107.09 86.89,107.31 86.81,107.38 86.18,107.38 85.22,106.43 85.22,105.74 84.78,105.29 84.78,102.6 84.15,101.97 84.15,100.33 84.16,100.32 84.16,96.82 84.48,96.5 84.82,96.5 85.68,95.64 86.85,95.64 87.5,94.99 88.79,94.99 88.97,94.81 88.97,94.21 v1(88.99,94.19)
/DDR3/DDR0_UDQS_P: length 45.9
  TOP w0.127: v1(92.11,113.29) 91.69,113.72 U1.C7 ; 89.35,92.42 v1(88.86,92.91)
  SIGNAL3-X w0.127: v1(92.11,113.29) 92.11,112.9 92.03,112.81 90.79,112.81 90.08,112.1 90.08,108.8 88.8,107.52 87.27,107.52 87.01,107.78 86.03,107.78 84.84,106.59 84.84,105.93 84.73,105.81 84.57,105.81 84.45,105.93 84.45,107.52 84.36,107.62 84.19,107.62 84.1,107.53 84.1,105.64 84.2,105.54 ; 84.2,105.54 84.2,102.68 84.07,102.56 83.85,102.56 83.7,102.71 83.7,103.17 83.7,103.17 83.7,107.42 83.58,107.54 83.44,107.54 83.32,107.41 83.32,102.51 83.75,102.08 83.75,96.63 85.01,95.37 86.74,95.37 87.46,94.65 88.25,94.65 88.55,94.35 88.55,93.45 88.9,93.11 88.9,92.87
